# EAGLE board RedBoard-Panel (EAGLE 9.6.2), part 4 of 6 (continued)
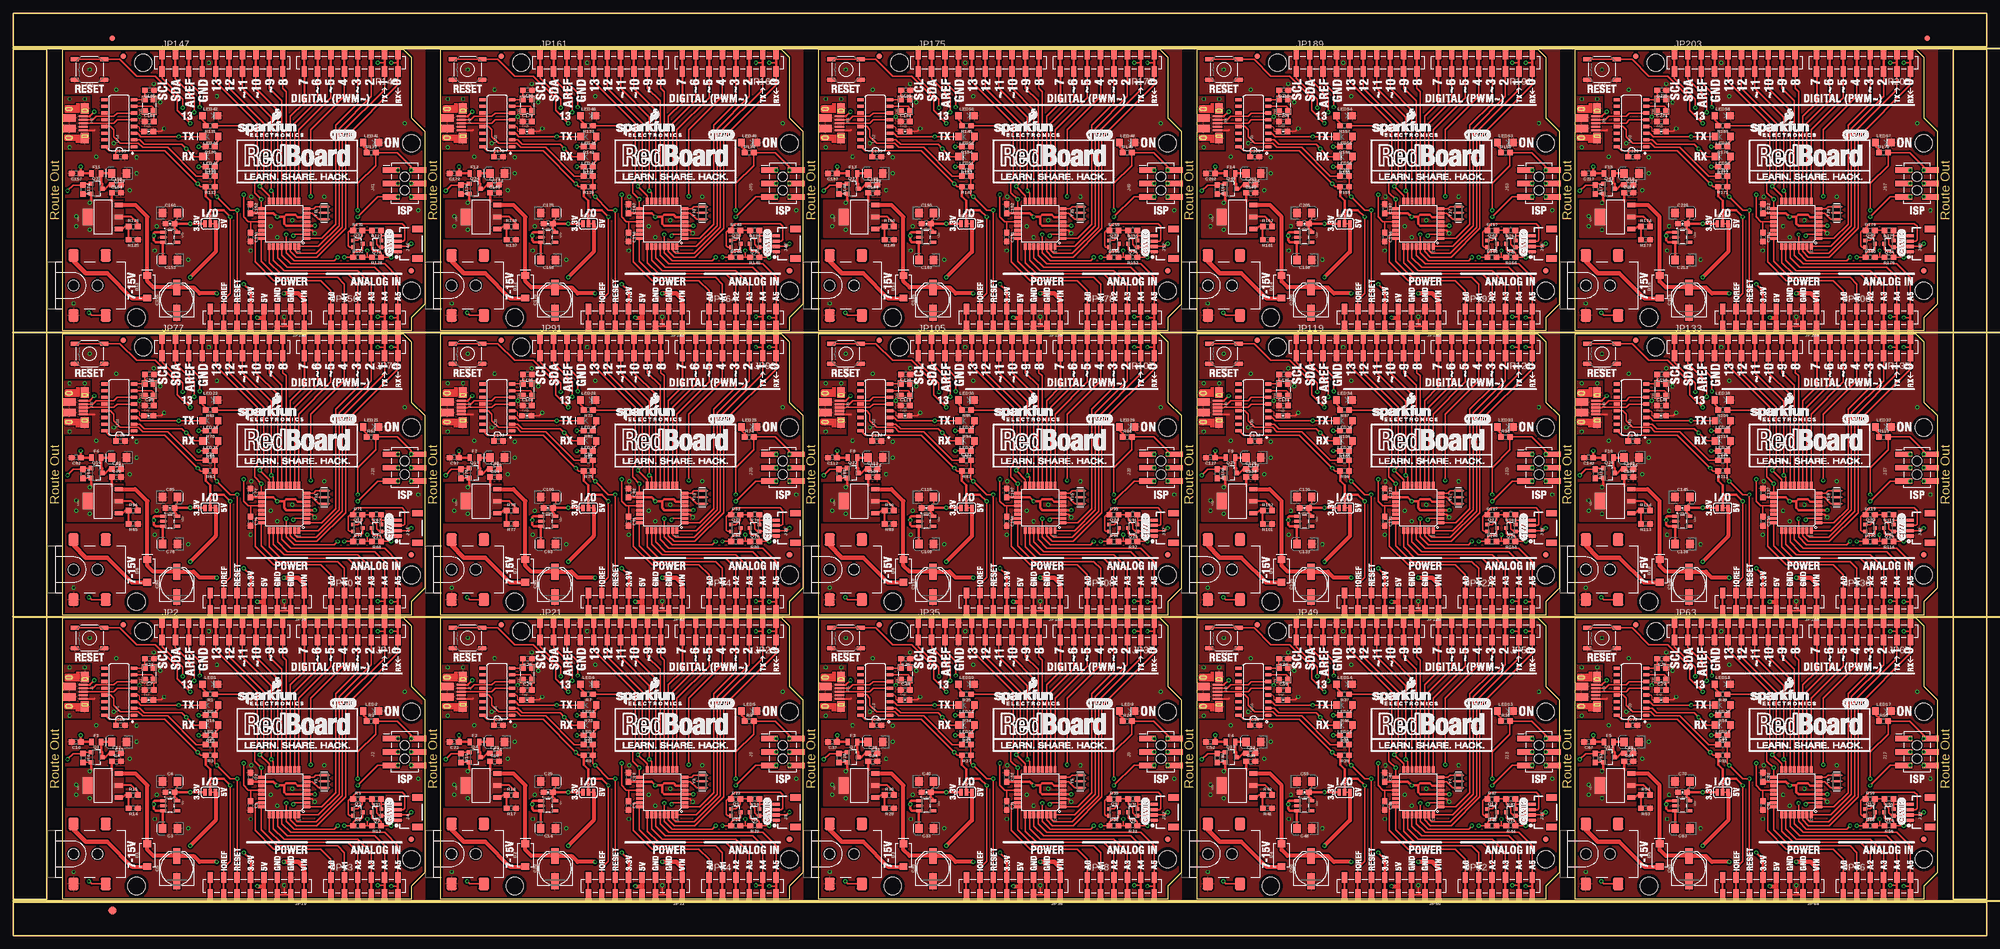
[diagram p0: board, top side]
## Tracks (layer width: path | path; a pad name or v marks a point on that pad's centre or on a via) (continued)
LV_SCL6
  Top 0.305: Q20.2 141.39,78.74 | 141.39,78.74 141.39,79.68 R79.1 | J28.4 141.41,78.72 141.39,78.74
LV_SCL7
  Top 0.305: Q23.2 213.01,78.74 | 213.01,78.74 213.01,79.68 R91.1 | J32.4 213.04,78.72 213.01,78.74
LV_SCL8
  Top 0.305: Q26.2 284.64,78.74 | 284.64,78.74 284.64,79.68 R103.1 | J36.4 284.67,78.72 284.64,78.74
LV_SCL9
  Top 0.305: Q29.2 356.27,78.74 | 356.27,78.74 356.27,79.68 R115.1 | J40.4 356.3,78.72 356.27,78.74
LV_SCL10
  Top 0.305: Q32.2 69.76,132.59 | 69.76,132.59 69.76,133.53 R127.1 | J44.4 69.78,132.56 69.76,132.59
LV_SCL11
  Top 0.305: Q35.2 141.39,132.59 | 141.39,132.59 141.39,133.53 R139.1 | J48.4 141.41,132.56 141.39,132.59
LV_SCL12
  Top 0.305: Q38.2 213.01,132.59 | 213.01,132.59 213.01,133.53 R151.1 | J52.4 213.04,132.56 213.01,132.59
LV_SCL13
  Top 0.305: Q41.2 284.64,132.59 | 284.64,132.59 284.64,133.53 R163.1 | J56.4 284.67,132.56 284.64,132.59
LV_SCL14
  Top 0.305: Q44.2 356.27,132.59 | 356.27,132.59 356.27,133.53 R175.1 | J60.4 356.3,132.56 356.27,132.59
LV_SDA
  Top 0.305: J4.3 73.91,23.87 74.17,24.13 74.17,26.67 73.66,27.18 65.15,27.18 64.43,26.46 R5.1 63.88,25.91 63.5,25.53 63.5,22.99 63.77,22.72 Q3.2
LV_SDA1
  Top 0.305: J8.3 145.53,23.87 145.8,24.13 145.8,26.67 145.29,27.18 136.78,27.18 136.06,26.46 R23.1 135.51,25.91 135.13,25.53 135.13,22.99 135.4,22.72 Q6.2
LV_SDA2
  Top 0.305: J12.3 217.16,23.87 217.42,24.13 217.42,26.67 216.92,27.18 208.41,27.18 207.68,26.46 R35.1 207.14,25.91 206.76,25.53 206.76,22.99 207.03,22.72 Q9.2
LV_SDA3
  Top 0.305: J16.3 288.79,23.87 289.05,24.13 289.05,26.67 288.54,27.18 280.04,27.18 279.31,26.46 R47.1 278.77,25.91 278.38,25.53 278.38,22.99 278.65,22.72 Q12.2
LV_SDA4
  Top 0.305: J20.3 360.42,23.87 360.68,24.13 360.68,26.67 360.17,27.18 351.66,27.18 350.94,26.46 R59.1 350.39,25.91 350.01,25.53 350.01,22.99 350.28,22.72 Q15.2
LV_SDA5
  Top 0.305: J24.3 73.91,77.72 74.17,77.98 74.17,80.52 73.66,81.03 65.15,81.03 64.43,80.3 R71.1 63.88,79.76 63.5,79.38 63.5,76.84 63.77,76.57 Q18.2
LV_SDA6
  Top 0.305: J28.3 145.53,77.72 145.8,77.98 145.8,80.52 145.29,81.03 136.78,81.03 136.06,80.3 R83.1 135.51,79.76 135.13,79.38 135.13,76.84 135.4,76.57 Q21.2
LV_SDA7
  Top 0.305: J32.3 217.16,77.72 217.42,77.98 217.42,80.52 216.92,81.03 208.41,81.03 207.68,80.3 R95.1 207.14,79.76 206.76,79.38 206.76,76.84 207.03,76.57 Q24.2
LV_SDA8
  Top 0.305: J36.3 288.79,77.72 289.05,77.98 289.05,80.52 288.54,81.03 280.04,81.03 279.31,80.3 R107.1 278.77,79.76 278.38,79.38 278.38,76.84 278.65,76.57 Q27.2
LV_SDA9
  Top 0.305: J40.3 360.42,77.72 360.68,77.98 360.68,80.52 360.17,81.03 351.66,81.03 350.94,80.3 R119.1 350.39,79.76 350.01,79.38 350.01,76.84 350.28,76.57 Q30.2
LV_SDA10
  Top 0.305: J44.3 73.91,131.56 74.17,131.83 74.17,134.37 73.66,134.87 65.15,134.87 64.43,134.15 R131.1 63.88,133.6 63.5,133.22 63.5,130.68 63.77,130.41 Q33.2
LV_SDA11
  Top 0.305: J48.3 145.53,131.56 145.8,131.83 145.8,134.37 145.29,134.87 136.78,134.87 136.06,134.15 R143.1 135.51,133.6 135.13,133.22 135.13,130.68 135.4,130.41 Q36.2
LV_SDA12
  Top 0.305: J52.3 217.16,131.56 217.42,131.83 217.42,134.37 216.92,134.87 208.41,134.87 207.68,134.15 R155.1 207.14,133.6 206.76,133.22 206.76,130.68 207.03,130.41 Q39.2
LV_SDA13
  Top 0.305: J56.3 288.79,131.56 289.05,131.83 289.05,134.37 288.54,134.87 280.04,134.87 279.31,134.15 R167.1 278.77,133.6 278.38,133.22 278.38,130.68 278.65,130.41 Q42.2
LV_SDA14
  Top 0.305: J60.3 360.42,131.56 360.68,131.83 360.68,134.37 360.17,134.87 351.66,134.87 350.94,134.15 R179.1 350.39,133.6 350.01,133.22 350.01,130.68 350.28,130.41 Q45.2
MISO  (via drill 0.38, 0.38 pad 0.51)
  Top 0.254: JP2.6A JP2.6B
  Top 0.305: U4.16 48.51,32.52 v46.74,34.29 47.5,35.05 47.5,46.23 40.89,52.83 JP2.6B | J2.1 TP4.P$1
  Bottom 0.305: v46.74,34.29 48.64,36.2 68.07,36.2 69.22,37.34 TP4.P$1
  other vias: 72.9,37.34
MISO1  (via drill 0.38, 0.38 pad 0.51)
  Top 0.254: JP21.6A JP21.6B
  Top 0.305: U6.16 120.14,32.52 v118.36,34.29 119.13,35.05 119.13,46.23 112.52,52.83 JP21.6B | J5.1 TP10.P$1
  Bottom 0.305: v118.36,34.29 120.27,36.2 139.7,36.2 140.84,37.34 TP10.P$1
  other vias: 144.53,37.34
MISO2  (via drill 0.38, 0.38 pad 0.51)
  Top 0.254: JP35.6A JP35.6B
  Top 0.305: U10.16 191.76,32.52 v189.99,34.29 190.75,35.05 190.75,46.23 184.15,52.83 JP35.6B | J9.1 TP16.P$1
  Bottom 0.305: v189.99,34.29 191.9,36.2 211.33,36.2 212.47,37.34 TP16.P$1
  other vias: 216.15,37.34
MISO3  (via drill 0.38, 0.38 pad 0.51)
  Top 0.254: JP49.6A JP49.6B
  Top 0.305: U14.16 263.39,32.52 v261.62,34.29 262.38,35.05 262.38,46.23 255.78,52.83 JP49.6B | J13.1 TP22.P$1
  Bottom 0.305: v261.62,34.29 263.53,36.2 282.96,36.2 284.1,37.34 TP22.P$1
  other vias: 287.78,37.34
MISO4  (via drill 0.38, 0.38 pad 0.51)
  Top 0.254: JP63.6A JP63.6B
  Top 0.305: U18.16 335.02,32.52 v333.25,34.29 334.01,35.05 334.01,46.23 327.41,52.83 JP63.6B | J17.1 TP28.P$1
  Bottom 0.305: v333.25,34.29 335.15,36.2 354.58,36.2 355.73,37.34 TP28.P$1
  other vias: 359.41,37.34
MISO5  (via drill 0.38, 0.38 pad 0.51)
  Top 0.254: JP77.6A JP77.6B
  Top 0.305: U22.16 48.51,86.37 v46.74,88.14 47.5,88.9 47.5,100.08 40.89,106.68 JP77.6B | J21.1 TP34.P$1
  Bottom 0.305: v46.74,88.14 48.64,90.04 68.07,90.04 69.22,91.19 TP34.P$1
  other vias: 72.9,91.19
MISO6  (via drill 0.38, 0.38 pad 0.51)
  Top 0.254: JP91.6A JP91.6B
  Top 0.305: U26.16 120.14,86.37 v118.36,88.14 119.13,88.9 119.13,100.08 112.52,106.68 JP91.6B | J25.1 TP40.P$1
  Bottom 0.305: v118.36,88.14 120.27,90.04 139.7,90.04 140.84,91.19 TP40.P$1
  other vias: 144.53,91.19
MISO7  (via drill 0.38, 0.38 pad 0.51)
  Top 0.254: JP105.6A JP105.6B
  Top 0.305: U30.16 191.76,86.37 v189.99,88.14 190.75,88.9 190.75,100.08 184.15,106.68 JP105.6B | J29.1 TP46.P$1
  Bottom 0.305: v189.99,88.14 191.9,90.04 211.33,90.04 212.47,91.19 TP46.P$1
  other vias: 216.15,91.19
MISO8  (via drill 0.38, 0.38 pad 0.51)
  Top 0.254: JP119.6A JP119.6B
  Top 0.305: U34.16 263.39,86.37 v261.62,88.14 262.38,88.9 262.38,100.08 255.78,106.68 JP119.6B | J33.1 TP52.P$1
  Bottom 0.305: v261.62,88.14 263.53,90.04 282.96,90.04 284.1,91.19 TP52.P$1
  other vias: 287.78,91.19
MISO9  (via drill 0.38, 0.38 pad 0.51)
  Top 0.254: JP133.6A JP133.6B
  Top 0.305: U38.16 335.02,86.37 v333.25,88.14 334.01,88.9 334.01,100.08 327.41,106.68 JP133.6B | J37.1 TP58.P$1
  Bottom 0.305: v333.25,88.14 335.15,90.04 354.58,90.04 355.73,91.19 TP58.P$1
  other vias: 359.41,91.19
MISO10  (via drill 0.38, 0.38 pad 0.51)
  Top 0.254: JP147.6A JP147.6B
  Top 0.305: U42.16 48.51,140.21 v46.74,141.99 47.5,142.75 47.5,153.92 40.89,160.53 JP147.6B | J41.1 TP64.P$1
  Bottom 0.305: v46.74,141.99 48.64,143.89 68.07,143.89 69.22,145.03 TP64.P$1
  other vias: 72.9,145.03
MISO11  (via drill 0.38, 0.38 pad 0.51)
  Top 0.254: JP161.6A JP161.6B
  Top 0.305: U46.16 120.14,140.21 v118.36,141.99 119.13,142.75 119.13,153.92 112.52,160.53 JP161.6B | J45.1 TP70.P$1
  Bottom 0.305: v118.36,141.99 120.27,143.89 139.7,143.89 140.84,145.03 TP70.P$1
  other vias: 144.53,145.03
MISO12  (via drill 0.38, 0.38 pad 0.51)
  Top 0.254: JP175.6A JP175.6B
  Top 0.305: U50.16 191.76,140.21 v189.99,141.99 190.75,142.75 190.75,153.92 184.15,160.53 JP175.6B | J49.1 TP76.P$1
  Bottom 0.305: v189.99,141.99 191.9,143.89 211.33,143.89 212.47,145.03 TP76.P$1
  other vias: 216.15,145.03
MISO13  (via drill 0.38, 0.38 pad 0.51)
  Top 0.254: JP189.6A JP189.6B
  Top 0.305: U54.16 263.39,140.21 v261.62,141.99 262.38,142.75 262.38,153.92 255.78,160.53 JP189.6B | J53.1 TP82.P$1
  Bottom 0.305: v261.62,141.99 263.53,143.89 282.96,143.89 284.1,145.03 TP82.P$1
  other vias: 287.78,145.03
MISO14  (via drill 0.38, 0.38 pad 0.51)
  Top 0.254: JP203.6A JP203.6B
  Top 0.305: U58.16 335.02,140.21 v333.25,141.99 334.01,142.75 334.01,153.92 327.41,160.53 JP203.6B | J57.1 TP88.P$1
  Bottom 0.305: v333.25,141.99 335.15,143.89 354.58,143.89 355.73,145.03 TP88.P$1
  other vias: 359.41,145.03
MOSI  (via drill 0.38, 0.38 pad 0.51)
  Top 0.254: JP2.7A JP2.7B
  Top 0.305: U4.15 49.31,32.99 v48.89,33.4 48.89,47.37 43.43,52.83 JP2.7B | J2.4 TP2.P$1
  Bottom 0.305: v48.89,33.4 66.29,33.4 70.36,29.34 74.3,29.34 76.71,31.75 76.71,34.29 76.2,34.8 TP2.P$1
  other vias: 75.44,34.8
MOSI1  (via drill 0.38, 0.38 pad 0.51)
  Top 0.254: JP21.7A JP21.7B
  Top 0.305: U6.15 120.94,32.99 v120.52,33.4 120.52,47.37 115.06,52.83 JP21.7B | J5.4 TP8.P$1
  Bottom 0.305: v120.52,33.4 137.92,33.4 141.99,29.34 145.92,29.34 148.34,31.75 148.34,34.29 147.83,34.8 TP8.P$1
  other vias: 147.07,34.8
MOSI2  (via drill 0.38, 0.38 pad 0.51)
  Top 0.254: JP35.7A JP35.7B
  Top 0.305: U10.15 192.56,32.99 v192.15,33.4 192.15,47.37 186.69,52.83 JP35.7B | J9.4 TP14.P$1
  Bottom 0.305: v192.15,33.4 209.55,33.4 213.61,29.34 217.55,29.34 219.96,31.75 219.96,34.29 219.46,34.8 TP14.P$1
  other vias: 218.69,34.8
MOSI3  (via drill 0.38, 0.38 pad 0.51)
  Top 0.254: JP49.7A JP49.7B
  Top 0.305: U14.15 264.19,32.99 v263.78,33.4 263.78,47.37 258.32,52.83 JP49.7B | J13.4 TP20.P$1
  Bottom 0.305: v263.78,33.4 281.18,33.4 285.24,29.34 289.18,29.34 291.59,31.75 291.59,34.29 291.08,34.8 TP20.P$1
  other vias: 290.32,34.8
MOSI4  (via drill 0.38, 0.38 pad 0.51)
  Top 0.254: JP63.7A JP63.7B
  Top 0.305: U18.15 335.82,32.99 v335.41,33.4 335.41,47.37 329.95,52.83 JP63.7B | J17.4 TP26.P$1
  Bottom 0.305: v335.41,33.4 352.81,33.4 356.87,29.34 360.81,29.34 363.22,31.75 363.22,34.29 362.71,34.8 TP26.P$1
  other vias: 361.95,34.8
MOSI5  (via drill 0.38, 0.38 pad 0.51)
  Top 0.254: JP77.7A JP77.7B
  Top 0.305: U22.15 49.31,86.84 v48.89,87.25 48.89,101.22 43.43,106.68 JP77.7B | J21.4 TP32.P$1
  Bottom 0.305: v48.89,87.25 66.29,87.25 70.36,83.19 74.3,83.19 76.71,85.6 76.71,88.14 76.2,88.65 TP32.P$1
  other vias: 75.44,88.65
MOSI6  (via drill 0.38, 0.38 pad 0.51)
  Top 0.254: JP91.7A JP91.7B
  Top 0.305: U26.15 120.94,86.84 v120.52,87.25 120.52,101.22 115.06,106.68 JP91.7B | J25.4 TP38.P$1
  Bottom 0.305: v120.52,87.25 137.92,87.25 141.99,83.19 145.92,83.19 148.34,85.6 148.34,88.14 147.83,88.65 TP38.P$1
  other vias: 147.07,88.65
MOSI7  (via drill 0.38, 0.38 pad 0.51)
  Top 0.254: JP105.7A JP105.7B
  Top 0.305: U30.15 192.56,86.84 v192.15,87.25 192.15,101.22 186.69,106.68 JP105.7B | J29.4 TP44.P$1
  Bottom 0.305: v192.15,87.25 209.55,87.25 213.61,83.19 217.55,83.19 219.96,85.6 219.96,88.14 219.46,88.65 TP44.P$1
  other vias: 218.69,88.65
MOSI8  (via drill 0.38, 0.38 pad 0.51)
  Top 0.254: JP119.7A JP119.7B
  Top 0.305: U34.15 264.19,86.84 v263.78,87.25 263.78,101.22 258.32,106.68 JP119.7B | J33.4 TP50.P$1
  Bottom 0.305: v263.78,87.25 281.18,87.25 285.24,83.19 289.18,83.19 291.59,85.6 291.59,88.14 291.08,88.65 TP50.P$1
  other vias: 290.32,88.65
MOSI9  (via drill 0.38, 0.38 pad 0.51)
  Top 0.254: JP133.7A JP133.7B
  Top 0.305: U38.15 335.82,86.84 v335.41,87.25 335.41,101.22 329.95,106.68 JP133.7B | J37.4 TP56.P$1
  Bottom 0.305: v335.41,87.25 352.81,87.25 356.87,83.19 360.81,83.19 363.22,85.6 363.22,88.14 362.71,88.65 TP56.P$1
  other vias: 361.95,88.65
MOSI10  (via drill 0.38, 0.38 pad 0.51)
  Top 0.254: JP147.7A JP147.7B
  Top 0.305: U42.15 49.31,140.68 v48.89,141.1 48.89,155.07 43.43,160.53 JP147.7B | J41.4 TP62.P$1
  Bottom 0.305: v48.89,141.1 66.29,141.1 70.36,137.03 74.3,137.03 76.71,139.45 76.71,141.99 76.2,142.49 TP62.P$1
  other vias: 75.44,142.49
MOSI11  (via drill 0.38, 0.38 pad 0.51)
  Top 0.254: JP161.7A JP161.7B
  Top 0.305: U46.15 120.94,140.68 v120.52,141.1 120.52,155.07 115.06,160.53 JP161.7B | J45.4 TP68.P$1
  Bottom 0.305: v120.52,141.1 137.92,141.1 141.99,137.03 145.92,137.03 148.34,139.45 148.34,141.99 147.83,142.49 TP68.P$1
  other vias: 147.07,142.49
MOSI12  (via drill 0.38, 0.38 pad 0.51)
  Top 0.254: JP175.7A JP175.7B
  Top 0.305: U50.15 192.56,140.68 v192.15,141.1 192.15,155.07 186.69,160.53 JP175.7B | J49.4 TP74.P$1
  Bottom 0.305: v192.15,141.1 209.55,141.1 213.61,137.03 217.55,137.03 219.96,139.45 219.96,141.99 219.46,142.49 TP74.P$1
  other vias: 218.69,142.49
MOSI13  (via drill 0.38, 0.38 pad 0.51)
  Top 0.254: JP189.7A JP189.7B
  Top 0.305: U54.15 264.19,140.68 v263.78,141.1 263.78,155.07 258.32,160.53 JP189.7B | J53.4 TP80.P$1
  Bottom 0.305: v263.78,141.1 281.18,141.1 285.24,137.03 289.18,137.03 291.59,139.45 291.59,141.99 291.08,142.49 TP80.P$1
  other vias: 290.32,142.49
MOSI14  (via drill 0.38, 0.38 pad 0.51)
  Top 0.254: JP203.7A JP203.7B
  Top 0.305: U58.15 335.82,140.68 v335.41,141.1 335.41,155.07 329.95,160.53 JP203.7B | J57.4 TP86.P$1
  Bottom 0.305: v335.41,141.1 352.81,141.1 356.87,137.03 360.81,137.03 363.22,139.45 363.22,141.99 362.71,142.49 TP86.P$1
  other vias: 361.95,142.49
N$1
  Top 0.305: R1.2 36.49,46.19 35.84,46.84 LED1.A
N$2
  Top 0.356: R2.1 66.97,41.24 66.32,41.89 LED2.A
N$3
  Top 0.305: U4.7 56.67,29.18 57.84,28.01 Y1.1
N$4
  Top 0.305: U4.8 56.9,29.98 57.33,30.41 Y1.3
N$5
  Top 0.305: R16.1 38.19,42.25 38.84,42.9 LED4.A
N$6
  Top 0.203: U1.4 23.67,45.59 23.9,45.36 23.9,44.78 24.03,44.65 C17.1
N$7  (via drill 0.38)
  Top 0.305: Q2.3 67.94,23.33 67.94,22.35 68.33,21.97 69.34,21.97 69.72,21.59 69.72,20.87 R13.1 v71.63,20.83
  Bottom 0.305: JP12.1 v71.63,20.83
N$8  (via drill 0.38)
  Top 0.305: v62.74,20.83 R6.1 64.43,21.5 64.9,21.97 65.79,21.97 66.2,22.39 Q3.3
  Bottom 0.305: JP14.1 v62.74,20.83
N$9
  Top 0.305: R12.1 38.19,38.44 38.84,39.09 LED3.A
N$10
  Top 0.356: R8.1 138.6,41.24 137.95,41.89 LED5.A
N$11
  Top 0.254: U1.8 22.87,50.68 24.8,50.68 Y2.3 24.91,52.4 C11.2
N$12
  Top 0.254: U1.7 26.29,49.4 26.54,49.15 26.54,48.54 Y2.1 26.66,46.61 C7.2
N$13
  Top 0.254: J1.D- 15.1,46.85 15.75,47.5 19.05,47.5 19.69,48.13 U1.6
N$14
  Top 0.254: J1.D+ 14.45,46.2 14.48,46.23 19.05,46.23 19.69,46.86 U1.5
N$15
  Top 0.406: U2.1 20.72,26.18 21.21,26.67 R15.1 R14.2
N$16
  Top 0.305: R7.2 108.12,46.19 107.47,46.84 LED6.A
N$17
  Top 0.406: U5.1 92.34,26.18 92.84,26.67 R18.1 R17.2
N$18
  Top 0.305: U6.7 128.3,29.18 129.47,28.01 Y3.1
N$19
  Top 0.305: U6.8 128.53,29.98 128.96,30.41 Y3.3
N$20
  Top 0.305: R22.1 109.82,42.25 110.47,42.9 LED8.A
N$21
  Top 0.305: R21.1 109.82,38.44 110.47,39.09 LED7.A
N$22
  Top 0.254: J7.D- 86.72,46.85 87.38,47.5 90.68,47.5 91.31,48.13 U8.6
N$23
  Top 0.254: J7.D+ 86.08,46.2 86.11,46.23 90.68,46.23 91.31,46.86 U8.5
N$24
  Top 0.203: U8.4 95.3,45.59 95.53,45.36 95.53,44.78 95.66,44.65 C27.1
N$25  (via drill 0.38)
  Top 0.305: v134.37,20.83 R24.1 136.06,21.5 136.53,21.97 137.41,21.97 137.83,22.39 Q6.3
  Bottom 0.305: JP26.1 v134.37,20.83
N$26  (via drill 0.38)
  Top 0.305: Q5.3 139.57,23.33 139.57,22.35 139.95,21.97 140.97,21.97 141.35,21.59 141.35,20.87 R20.1 v143.26,20.83
  Bottom 0.305: JP25.1 v143.26,20.83
N$27
  Top 0.254: U8.8 94.5,50.68 96.43,50.68 Y4.3 96.53,52.4 C30.2
N$28
  Top 0.254: U8.7 97.92,49.4 98.17,49.15 98.17,48.54 Y4.1 98.28,46.61 C29.2
N$29
  Top 0.356: R26.1 210.22,41.24 209.57,41.89 LED9.A
N$30
  Top 0.305: R25.2 179.74,46.19 179.09,46.84 LED10.A
N$31
  Top 0.406: U9.1 163.97,26.18 164.47,26.67 R30.1 R29.2
N$32
  Top 0.305: U10.7 199.93,29.18 201.1,28.01 Y5.1
N$33
  Top 0.305: U10.8 200.16,29.98 200.59,30.41 Y5.3
N$34
  Top 0.305: R34.1 181.44,42.25 182.09,42.9 LED12.A
N$35
  Top 0.305: R33.1 181.44,38.44 182.09,39.09 LED11.A
N$36
  Top 0.254: J11.D- 158.35,46.85 159,47.5 162.31,47.5 162.94,48.13 U12.6
N$37
  Top 0.254: J11.D+ 157.7,46.2 157.73,46.23 162.31,46.23 162.94,46.86 U12.5
N$38
  Top 0.203: U12.4 166.93,45.59 167.16,45.36 167.16,44.78 167.28,44.65 C42.1
N$39  (via drill 0.38)
  Top 0.305: v205.99,20.83 R36.1 207.68,21.5 208.15,21.97 209.04,21.97 209.46,22.39 Q9.3
  Bottom 0.305: JP40.1 v205.99,20.83
N$40  (via drill 0.38)
  Top 0.305: Q8.3 211.2,23.33 211.2,22.35 211.58,21.97 212.6,21.97 212.98,21.59 212.98,20.87 R32.1 v214.88,20.83
  Bottom 0.305: JP39.1 v214.88,20.83
N$41
  Top 0.254: U12.8 166.13,50.68 168.06,50.68 Y6.3 168.16,52.4 C45.2
N$42
  Top 0.254: U12.7 169.54,49.4 169.8,49.15 169.8,48.54 Y6.1 169.91,46.61 C44.2
N$43
  Top 0.356: R38.1 281.85,41.24 281.2,41.89 LED13.A
N$44
  Top 0.305: R37.2 251.37,46.19 250.72,46.84 LED14.A
N$45
  Top 0.406: U13.1 235.6,26.18 236.09,26.67 R42.1 R41.2
N$46
  Top 0.305: U14.7 271.56,29.18 272.73,28.01 Y7.1
N$47
  Top 0.305: U14.8 271.79,29.98 272.22,30.41 Y7.3
N$48
  Top 0.305: R46.1 253.07,42.25 253.72,42.9 LED16.A
N$49
  Top 0.305: R45.1 253.07,38.44 253.72,39.09 LED15.A
N$50
  Top 0.254: J15.D- 229.98,46.85 230.63,47.5 233.93,47.5 234.57,48.13 U16.6
N$51
  Top 0.254: J15.D+ 229.33,46.2 229.36,46.23 233.93,46.23 234.57,46.86 U16.5
N$52
  Top 0.203: U16.4 238.56,45.59 238.78,45.36 238.78,44.78 238.91,44.65 C57.1
N$53  (via drill 0.38)
  Top 0.305: v277.62,20.83 R48.1 279.31,21.5 279.78,21.97 280.67,21.97 281.09,22.39 Q12.3
  Bottom 0.305: JP54.1 v277.62,20.83
N$54  (via drill 0.38)
  Top 0.305: Q11.3 282.83,23.33 282.83,22.35 283.21,21.97 284.23,21.97 284.61,21.59 284.61,20.87 R44.1 v286.51,20.83
  Bottom 0.305: JP53.1 v286.51,20.83
N$55
  Top 0.254: U16.8 237.76,50.68 239.69,50.68 Y8.3 239.79,52.4 C60.2
N$56
  Top 0.254: U16.7 241.17,49.4 241.43,49.15 241.43,48.54 Y8.1 241.54,46.61 C59.2
N$57
  Top 0.356: R50.1 353.48,41.24 352.83,41.89 LED17.A
N$58
  Top 0.305: R49.2 323,46.19 322.35,46.84 LED18.A
N$59
  Top 0.406: U17.1 307.23,26.18 307.72,26.67 R54.1 R53.2
N$60
  Top 0.305: U18.7 343.19,29.18 344.35,28.01 Y9.1
N$61
  Top 0.305: U18.8 343.41,29.98 343.85,30.41 Y9.3
N$62
  Top 0.305: R58.1 324.7,42.25 325.35,42.9 LED20.A
N$63
  Top 0.305: R57.1 324.7,38.44 325.35,39.09 LED19.A
N$64
  Top 0.254: J19.D- 301.61,46.85 302.26,47.5 305.56,47.5 306.2,48.13 U20.6
N$65
  Top 0.254: J19.D+ 300.96,46.2 300.99,46.23 305.56,46.23 306.2,46.86 U20.5
N$66
  Top 0.203: U20.4 310.19,45.59 310.41,45.36 310.41,44.78 310.54,44.65 C72.1
N$67  (via drill 0.38)
  Top 0.305: v349.25,20.83 R60.1 350.94,21.5 351.41,21.97 352.3,21.97 352.72,22.39 Q15.3
  Bottom 0.305: JP68.1 v349.25,20.83
N$68  (via drill 0.38)
  Top 0.305: Q14.3 354.46,23.33 354.46,22.35 354.84,21.97 355.85,21.97 356.24,21.59 356.24,20.87 R56.1 v358.14,20.83
  Bottom 0.305: JP67.1 v358.14,20.83
N$69
  Top 0.254: U20.8 309.39,50.68 311.32,50.68 Y10.3 311.42,52.4 C75.2
N$70
  Top 0.254: U20.7 312.8,49.4 313.06,49.15 313.06,48.54 Y10.1 313.17,46.61 C74.2
N$71
  Top 0.356: R62.1 66.97,95.08 66.32,95.73 LED21.A
N$72
  Top 0.305: R61.2 36.49,100.04 35.84,100.69 LED22.A
N$73
  Top 0.406: U21.1 20.72,80.03 21.21,80.52 R66.1 R65.2
N$74
  Top 0.305: U22.7 56.67,83.03 57.84,81.86 Y11.1
N$75
  Top 0.305: U22.8 56.9,83.83 57.33,84.26 Y11.3
N$76
  Top 0.305: R70.1 38.19,96.1 38.84,96.75 LED24.A
N$77
  Top 0.305: R69.1 38.19,92.29 38.84,92.94 LED23.A
N$78
  Top 0.254: J23.D- 15.1,100.7 15.75,101.35 19.05,101.35 19.69,101.98 U24.6
N$79
  Top 0.254: J23.D+ 14.45,100.05 14.48,100.08 19.05,100.08 19.69,100.71 U24.5
N$80
  Top 0.203: U24.4 23.67,99.44 23.9,99.21 23.9,98.63 24.03,98.5 C87.1
N$81  (via drill 0.38)
  Top 0.305: v62.74,74.68 R72.1 64.43,75.35 64.9,75.82 65.79,75.82 66.2,76.24 Q18.3
  Bottom 0.305: JP82.1 v62.74,74.68
N$82  (via drill 0.38)
  Top 0.305: Q17.3 67.94,77.18 67.94,76.2 68.33,75.82 69.34,75.82 69.72,75.44 69.72,74.72 R68.1 v71.63,74.68
  Bottom 0.305: JP81.1 v71.63,74.68
N$83
  Top 0.254: U24.8 24.8,104.53 Y12.3 24.91,106.25 C90.2
N$84
  Top 0.254: U24.7 26.29,103.25 26.54,103 26.54,102.39 Y12.1 26.66,100.46 C89.2
N$85
  Top 0.356: R74.1 138.6,95.08 137.95,95.73 LED25.A
N$86
  Top 0.305: R73.2 108.12,100.04 107.47,100.69 LED26.A
N$87
  Top 0.406: U25.1 92.34,80.03 92.84,80.52 R78.1 R77.2
N$88
  Top 0.305: U26.7 128.3,83.03 129.47,81.86 Y13.1
N$89
  Top 0.305: U26.8 128.53,83.83 128.96,84.26 Y13.3
N$90
  Top 0.305: R82.1 109.82,96.1 110.47,96.75 LED28.A
N$91
  Top 0.305: R81.1 109.82,92.29 110.47,92.94 LED27.A
N$92
  Top 0.254: J27.D- 86.72,100.7 87.38,101.35 90.68,101.35 91.31,101.98 U28.6
N$93
  Top 0.254: J27.D+ 86.08,100.05 86.11,100.08 90.68,100.08 91.31,100.71 U28.5
N$94
  Top 0.203: U28.4 95.3,99.44 95.53,99.21 95.53,98.63 95.66,98.5 C102.1
N$95  (via drill 0.38)
  Top 0.305: v134.37,74.68 R84.1 136.06,75.35 136.53,75.82 137.41,75.82 137.83,76.24 Q21.3
  Bottom 0.305: JP96.1 v134.37,74.68
N$96  (via drill 0.38)
  Top 0.305: Q20.3 139.57,77.18 139.57,76.2 139.95,75.82 140.97,75.82 141.35,75.44 141.35,74.72 R80.1 v143.26,74.68
  Bottom 0.305: JP95.1 v143.26,74.68
N$97
  Top 0.254: U28.8 96.43,104.53 Y14.3 96.53,106.25 C105.2
N$98
  Top 0.254: U28.7 97.92,103.25 98.17,103 98.17,102.39 Y14.1 98.28,100.46 C104.2
N$99
  Top 0.356: R86.1 210.22,95.08 209.57,95.73 LED29.A
N$100
  Top 0.305: R85.2 179.74,100.04 179.09,100.69 LED30.A
N$101
  Top 0.406: U29.1 163.97,80.03 164.47,80.52 R90.1 R89.2
N$102
  Top 0.305: U30.7 199.93,83.03 201.1,81.86 Y15.1
N$103
  Top 0.305: U30.8 200.16,83.83 200.59,84.26 Y15.3
N$104
  Top 0.305: R94.1 181.44,96.1 182.09,96.75 LED32.A
N$105
  Top 0.305: R93.1 181.44,92.29 182.09,92.94 LED31.A
N$106
  Top 0.254: J31.D- 158.35,100.7 159,101.35 162.31,101.35 162.94,101.98 U32.6
N$107
  Top 0.254: J31.D+ 157.7,100.05 157.73,100.08 162.31,100.08 162.94,100.71 U32.5
N$108
  Top 0.203: U32.4 166.93,99.44 167.16,99.21 167.16,98.63 167.28,98.5 C117.1
N$109  (via drill 0.38)
  Top 0.305: v205.99,74.68 R96.1 207.68,75.35 208.15,75.82 209.04,75.82 209.46,76.24 Q24.3
  Bottom 0.305: JP110.1 v205.99,74.68
N$110  (via drill 0.38)
  Top 0.305: Q23.3 211.2,77.18 211.2,76.2 211.58,75.82 212.6,75.82 212.98,75.44 212.98,74.72 R92.1 v214.88,74.68
  Bottom 0.305: JP109.1 v214.88,74.68
N$111
  Top 0.254: U32.8 168.06,104.53 Y16.3 168.16,106.25 C120.2
N$112
  Top 0.254: U32.7 169.54,103.25 169.8,103 169.8,102.39 Y16.1 169.91,100.46 C119.2
N$113
  Top 0.356: R98.1 281.85,95.08 281.2,95.73 LED33.A
N$114
  Top 0.305: R97.2 251.37,100.04 250.72,100.69 LED34.A
N$115
  Top 0.406: U33.1 235.6,80.03 236.09,80.52 R102.1 R101.2
N$116
  Top 0.305: U34.7 271.56,83.03 272.73,81.86 Y17.1
N$117
  Top 0.305: U34.8 271.79,83.83 272.22,84.26 Y17.3
N$118
  Top 0.305: R106.1 253.07,96.1 253.72,96.75 LED36.A
N$119
  Top 0.305: R105.1 253.07,92.29 253.72,92.94 LED35.A
N$120
  Top 0.254: J35.D- 229.98,100.7 230.63,101.35 233.93,101.35 234.57,101.98 U36.6
N$121
  Top 0.254: J35.D+ 229.33,100.05 229.36,100.08 233.93,100.08 234.57,100.71 U36.5
N$122
  Top 0.203: U36.4 238.56,99.44 238.78,99.21 238.78,98.63 238.91,98.5 C132.1
N$123  (via drill 0.38)
  Top 0.305: v277.62,74.68 R108.1 279.31,75.35 279.78,75.82 280.67,75.82 281.09,76.24 Q27.3
  Bottom 0.305: JP124.1 v277.62,74.68
N$124  (via drill 0.38)
  Top 0.305: Q26.3 282.83,77.18 282.83,76.2 283.21,75.82 284.23,75.82 284.61,75.44 284.61,74.72 R104.1 v286.51,74.68
  Bottom 0.305: JP123.1 v286.51,74.68
N$125
  Top 0.254: U36.8 239.69,104.53 Y18.3 239.79,106.25 C135.2
N$126
  Top 0.254: U36.7 241.17,103.25 241.43,103 241.43,102.39 Y18.1 241.54,100.46 C134.2
N$127
  Top 0.356: R110.1 353.48,95.08 352.83,95.73 LED37.A
N$128
  Top 0.305: R109.2 323,100.04 322.35,100.69 LED38.A
N$129
  Top 0.406: U37.1 307.23,80.03 307.72,80.52 R114.1 R113.2
N$130
  Top 0.305: U38.7 343.19,83.03 344.35,81.86 Y19.1
N$131
  Top 0.305: U38.8 343.41,83.83 343.85,84.26 Y19.3
N$132
  Top 0.305: R118.1 324.7,96.1 325.35,96.75 LED40.A
N$133
  Top 0.305: R117.1 324.7,92.29 325.35,92.94 LED39.A
N$134
  Top 0.254: J39.D- 301.61,100.7 302.26,101.35 305.56,101.35 306.2,101.98 U40.6
N$135
  Top 0.254: J39.D+ 300.96,100.05 300.99,100.08 305.56,100.08 306.2,100.71 U40.5
N$136
  Top 0.203: U40.4 310.19,99.44 310.41,99.21 310.41,98.63 310.54,98.5 C147.1
N$137  (via drill 0.38)
  Top 0.305: v349.25,74.68 R120.1 350.94,75.35 351.41,75.82 352.3,75.82 352.72,76.24 Q30.3
  Bottom 0.305: JP138.1 v349.25,74.68
N$138  (via drill 0.38)
  Top 0.305: Q29.3 354.46,77.18 354.46,76.2 354.84,75.82 355.85,75.82 356.24,75.44 356.24,74.72 R116.1 v358.14,74.68
  Bottom 0.305: JP137.1 v358.14,74.68
N$139
  Top 0.254: U40.8 311.32,104.53 Y20.3 311.42,106.25 C150.2
N$140
  Top 0.254: U40.7 312.8,103.25 313.06,103 313.06,102.39 Y20.1 313.17,100.46 C149.2
N$141
  Top 0.356: R122.1 66.97,148.93 66.32,149.58 LED41.A
N$142
  Top 0.305: R121.2 36.49,153.88 35.84,154.53 LED42.A
N$143
  Top 0.406: U41.1 20.72,133.87 21.21,134.37 R126.1 R125.2
N$144
  Top 0.305: U42.7 56.67,136.87 57.84,135.71 Y21.1
N$145
  Top 0.305: U42.8 56.9,137.67 57.33,138.11 Y21.3
N$146
  Top 0.305: R130.1 38.19,149.95 38.84,150.6 LED44.A
N$147
  Top 0.305: R129.1 38.19,146.14 38.84,146.79 LED43.A
N$148
  Top 0.254: J43.D- 15.1,154.54 15.75,155.19 19.05,155.19 19.69,155.83 U44.6
N$149
  Top 0.254: J43.D+ 14.45,153.89 14.48,153.92 19.05,153.92 19.69,154.56 U44.5
N$150
  Top 0.203: U44.4 23.67,153.29 23.9,153.06 23.9,152.48 24.03,152.35 C162.1
N$151  (via drill 0.38)
  Top 0.305: v62.74,128.52 R132.1 64.43,129.2 64.9,129.67 65.79,129.67 66.2,130.08 Q33.3
  Bottom 0.305: JP152.1 v62.74,128.52
N$152  (via drill 0.38)
  Top 0.305: Q32.3 67.94,131.03 67.94,130.05 68.33,129.67 69.34,129.67 69.72,129.29 69.72,128.56 R128.1 v71.63,128.52
  Bottom 0.305: JP151.1 v71.63,128.52
N$153
  Top 0.254: U44.8 24.8,158.38 Y22.3 24.91,160.1 C165.2
N$154
  Top 0.254: U44.7 26.29,157.1 26.54,156.84 26.54,156.24 Y22.1 26.66,154.31 C164.2
N$155
  Top 0.356: R134.1 138.6,148.93 137.95,149.58 LED45.A
N$156
  Top 0.305: R133.2 108.12,153.88 107.47,154.53 LED46.A